# Allegro board PCIE_FIBER_BOARD-1116.brd (continued)
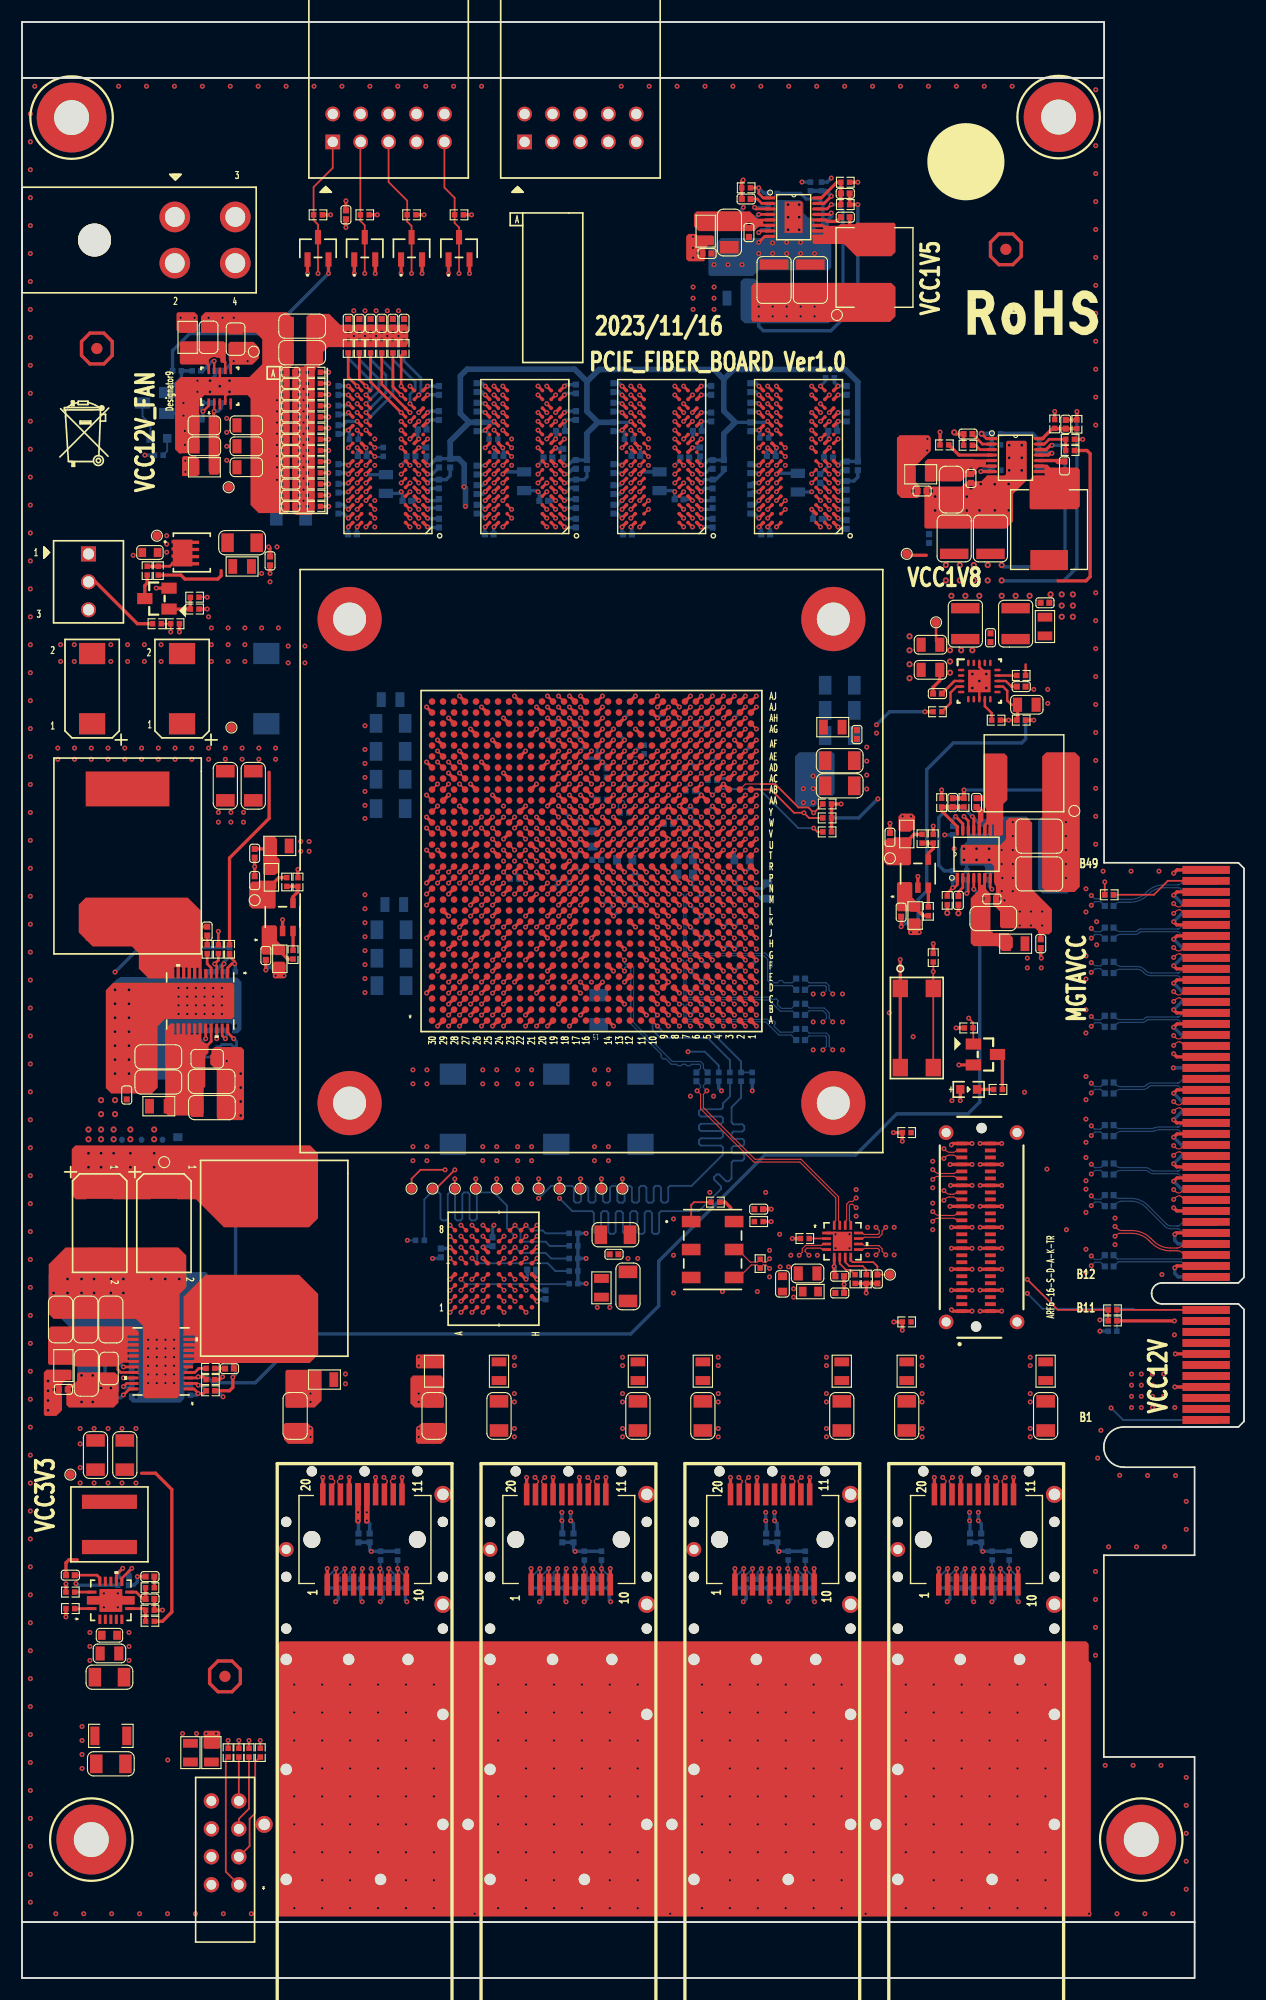
[diagram p0: board, top side]
## Footprints (pads in the part's own frame, mm; a bottom-side part is the same pattern mirrored in y, then rotated) (continued)

## Nets
GND: C13.2(CAP1) C14.2(CAP1) C15.2(CAP1) C97.2(CAP1) C123.2(CAP1) C143.2(CAP1) C144.2(CAP1) C145.2(CAP1) C146.2(CAP1) C147.2(CAP1) C148.2(CAP1) C150.2(CAP1) C151.2(CAP1) C152.2(CAP1) C153.2(CAP1) C159.2(CAP1) C160.2(CAP1) C161.2(CAP1) C162.2(CAP1) C224.2(CAP1) C250.2(CAP1) C271.2(CAP1) C340.2(CAP1) C341.2(CAP1) C342.2(CAP1) C343.2(CAP1) C344.2(CAP1) C399.2(CAP1) C400.2(CAP1) C401.2(CAP1) C402.2(CAP1) C418.2(CAP1) C419.2(CAP1) C420.2(CAP1) C421.2(CAP1) C422.2(CAP1) C461.2(CAP1) C462.2(CAP1) C463.2(CAP1) C490.2(CAP1) C491.2(CAP1) C492.2(CAP1) C493.2(CAP1) C494.2(CAP1) C495.2(CAP1) C496.2(CAP1) C497.2(CAP1) C498.2(CAP1) C499.2(CAP1) C500.2(CAP1) C501.2(CAP1) C502.2(CAP1) C503.2(CAP1) C504.2(CAP1) C505.2(CAP1) C506.2(CAP1) C507.2(CAP1) C508.2(CAP1) C509.2(CAP1) C510.2(CAP1) C511.2(CAP1) C512.2(CAP1) C513.2(CAP1) C514.2(CAP1) C515.2(CAP1) C516.2(CAP1) C517.2(CAP1) C518.2(CAP1) C519.2(CAP1) C520.2(CAP1) C521.2(CAP1) C522.2(CAP1) C523.2(CAP1) C524.2(CAP1) C525.2(CAP1) C526.2(CAP1) C527.2(CAP1) C528.2(CAP1) C529.2(CAP1) C530.2(CAP1) C531.2(CAP1) C532.2(CAP1) C533.2(CAP1) C534.2(CAP1) C535.2(CAP1) C536.2(CAP1) C538.2(CAP1) C539.2(CAP1) C540.2(CAP1) C541.2(CAP1) C542.2(CAP1) C543.2(CAP1) C545.2(CAP1) C546.2(CAP1) C547.2(CAP1) C548.2(CAP1) C549.2(CAP1) C550.2(CAP1) C551.2(CAP1) C552.2(CAP1) C553.2(CAP1) C554.2(CAP1) C555.2(CAP1) C556.2(CAP1) C557.2(CAP1) C558.2(CAP1) C559.2(CAP1) C560.2(CAP1) C561.2(CAP1) C562.2(CAP1) C563.2(CAP1) C564.2(CAP1) C565.2(CAP1) C566.2(CAP1) C567.2(CAP1) C568.2(CAP1) C569.2(CAP1) C570.2(CAP1) C571.2(CAP1) C572.2(CAP1) C573.2(CAP1) C575.2(CAP1) C577.2(CAP1) C578.2(CAP1) C579.2(CAP1) C580.2(CAP1) C581.2(CAP1) C582.2(CAP1) C583.2(CAP1) C584.2(CAP1) C585.2(CAP1) C586.2(CAP1) C587.2(CAP1) C588.2(CAP1) C589.2(CAP1) C590.2(CAP1) C591.2(CAP1) C592.2(CAP1) C593.2(CAP1) C594.2(CAP1) C595.2(CAP1) C596.2(CAP1) C597.2(CAP1) C598.2(CAP1) C599.2(CAP1) C600.2(CAP1) C601.2(CAP1) C602.2(CAP1) C603.2(CAP1) C604.2(CAP1) C605.2(CAP1) C606.2(CAP1) C607.2(CAP1) C608.2(CAP1) C609.2(CAP1) C610.2(CAP1) C611.2(CAP1) C612.2(CAP1) C613.2(CAP1) C614.2(CAP1) C615.2(CAP1) C616.2(CAP1) C617.2(CAP1) C618.2(CAP1) C619.2(CAP1) C620.2(CAP1) C621.2(CAP1) C622.2(CAP1) C623.2(CAP1) C624.2(CAP1) C625.2(CAP1) C626.2(CAP1) C627.2(CAP1) C628.2(CAP1) C629.2(CAP1) C630.2(CAP1) C631.2(CAP1) C632.2(CAP1) C633.2(CAP1) C636.2(CAP1) C638.2(CAP1) C639.2(CAP1) C640.2(CAP1) C1153.2(CAP1) C1154.2(CAP1) C1155.2(CAP1) C1156.2(CAP1) C1157.2(CAP1) C1158.2(CAP1) C1172.2(CAP1) C1173.2(CAP1) C1174.2(CAP1) C1175.2(CAP1) C1176.2(CAP1) C1177.1(CAP2) C1178.2(CAP1) C1182.1(CAP2) C1183.1(CAP2) C1184.2(CAP1) C1185.2(CAP1) C1186.2(CAP1) C1187.1(CAP2) C1188.1(CAP2) C1189.2(CAP1) C1190.2(CAP1) C1193.2(CAP1) C1194.2(CAP1) C1195.2(CAP1) C1196.2(CAP1) C1197.2(CAP1) C1211.1(CAP2) C1212.2(CAP1) C1213.2(CAP1) C1214.2(CAP1) C1215.2(CAP1) C1216.2(CAP1) C1217.2(CAP1) C1218.1(CAP2) C1219.1(CAP2) C1220.2(CAP1) C1221.2(CAP1) C1224.2(CAP1) C1225.2(CAP1) C1226.2(CAP1) C1227.2(CAP1) C1228.2(CAP1) C1229.1(CAP2) C1230.1(CAP2) C1231.1(CAP2) C1232.2(CAP1) C1233.2(CAP1) C1234.2(CAP1) C1237.2(CAP1) C1238.2(CAP1) C2256.2(CAP1) C2257.2(CAP1) C2258.2(CAP1) C2259.2(CAP1) C2260.2(CAP1) C2261.2(CAP1) C2262.2(CAP1) C2263.2(CAP1) C2264.2(CAP1) C2265.2(CAP1) C2266.2(CAP1) C2267.2(CAP1) C2268.2(CAP1) C2269.2(CAP1) C2270.2(CAP1) C2271.2(CAP1) C2272.2(CAP1) C2273.2(CAP1) C2274.2(CAP1) C2275.2(CAP1) C2276.2(CAP1) C2277.2(CAP1) C2278.2(CAP1) C2279.2(CAP1) C2434.2(CAP1) C2441.2(CAP1) C2442.2(CAP1) C2443.2(CAP1) C2444.2(CAP1) C2445.2(CAP1) C2446.2(CAP1) C2447.2(CAP1) C2448.2(CAP1) C2449.2(CAP1) C2450.2(CAP1) C2451.2(CAP1) C2452.2(CAP1) C2453.2(CAP1) C2454.2(CAP1) C2455.2(CAP1) C2456.2(CAP1) C2457.2(CAP1) C2458.2(CAP1) C2459.2(CAP1) C2460.2(CAP1) C2461.2(CAP1) C2462.2(CAP1) C2463.2(CAP1) C2482.1(CAP2) C2483.2(CAP1) C2484.2(CAP1) C2485.1(CAP2) C2486.1(CAP2) C2487.1(CAP2) C2488.1(CAP2) C2489.1(CAP2) C2490.2(CAP1) C2491.2(CAP1) C2492.2(CAP1) C2494.2(CAP1) C2495.2(CAP1) C2496.2(CAP1) C2497.2(CAP1) C2498.2(CAP1) C2499.2(CAP1) C2500.1(CAP2) C2501.2(CAP1) C2502.1(CAP2) C2503.2(CAP1) C2504.2(CAP1) C2505.1(CAP2) C2506.2(CAP1) C2507.2(CAP1) C2508.1 CC1.2 CC2.2 CC3.2 CC4.2 CC5.2 CC6.2 CC7.2 CC8.2 CC13.2 CC14.2 D2.1 D3.1 D4.1 D5.1 J1.2 J1.10 J3.01 J3.02 J3.07 J3.08 J3.13 J3.14 J3.19 J3.20 J3.25 J3.26 J3.31 J3.32 J3.37 J3.38 J3.43 J3.44 J3.49 J3.50 J4.2(GND#2) J4.4(GND#4) J5.3(P3) L3.1 L247.2 P1.1(VEET_1) P1.10(VEER_1) P1.11(VEER_2) P1.14(VEER_3) P1.17(VEET_2) P1.20(VEET_3) P1.21(GND1) P1.22(GND2) P1.23(GND3) P1.24(GND4) P1.25(GND5) P1.26(GND6) P1.27(GND7) P1.28(GND8) P1.29(GND9) P1.30(GND10) P1.31(GND11) P1.32(GND12) P2.1(VEET_1) P2.10(VEER_1) P2.11(VEER_2) P2.14(VEER_3) P2.17(VEET_2) P2.20(VEET_3) P2.21(GND1) P2.22(GND2) P2.23(GND3) P2.24(GND4) P2.25(GND5) P2.26(GND6) P2.27(GND7) P2.28(GND8) P2.29(GND9) P2.30(GND10) P2.31(GND11) P2.32(GND12) P3.1(VEET_1) P3.10(VEER_1) P3.11(VEER_2) P3.14(VEER_3) P3.17(VEET_2) P3.20(VEET_3) P3.21(GND1) P3.22(GND2) P3.23(GND3) P3.24(GND4) P3.25(GND5) P3.26(GND6) P3.27(GND7) P3.28(GND8) P3.29(GND9) P3.30(GND10) P3.31(GND11) P3.32(GND12) P4.1(VEET_1) P4.10(VEER_1) P4.11(VEER_2) P4.14(VEER_3) P4.17(VEET_2) P4.20(VEET_3) P4.21(GND1) P4.22(GND2) P4.23(GND3) P4.24(GND4) P4.25(GND5) P4.26(GND6) P4.27(GND7) P4.28(GND8) P4.29(GND9) P4.30(GND10) P4.31(GND11) P4.32(GND12) Q10.2(SOURCE) Q15.2(SOURCE) Q17.2(SOURCE) R8.2 R41.2 R159.2 R161.2 R164.2 R219.2 R337.1 R338.1 R339.1 R458.2 R490.2 R492.2 R494.2 R1042.1 R1043.1 R1044.1 R1046.1 R1048.2 R1064.1 R1065.2 R1066.1 R1068.2 R1069.1 R1070.1 R1073.2 R1089.2 R1092.1 R1093.1 R1094.1 R1095.1 R1103.2 R1104.1 R1105.1 R1108.2 R1111.1 R1167.2 R1168.2 R1177.2 R1178.2 R1187.2 R1188.2 R1197.2 R1198.2 R1202.1 R1203.1 R1207.2 R1208.2 R1213.2 R1214.2 R1223.2 R1224.2 R1229.2 R1232.2 R1235.1 R1237.2 U23.4(PGND) U23.8(GND) U23.11(PWRPAD) U75.A9(VSS#A9) U75.B1(VSSQ#B1) U75.B3(VSS#B3) U75.B9(VSSQ#B9) U75.D1(VSSQ#D1) U75.D8(VSSQ#D8) U75.E1(VSS#E1) U75.E2(VSSQ#E2) U75.E8(VSSQ#E8) U75.F9(VSSQ#F9) U75.G1(VSSQ#G1) U75.G8(VSS#G8) U75.G9(VSSQ#G9) U75.J2(VSS#J2) U75.J8(VSS#J8) U75.M1(VSS#M1) U75.M9(VSS#M9) U75.P1(VSS#P1) U75.P9(VSS#P9) U75.T1(VSS#T1) U75.T9(VSS#T9) U76.A9(VSS#A9) U76.B1(VSSQ#B1) U76.B3(VSS#B3) U76.B9(VSSQ#B9) U76.D1(VSSQ#D1) U76.D8(VSSQ#D8) U76.E1(VSS#E1) U76.E2(VSSQ#E2) U76.E8(VSSQ#E8) U76.F9(VSSQ#F9) U76.G1(VSSQ#G1) U76.G8(VSS#G8) U76.G9(VSSQ#G9) U76.J2(VSS#J2) U76.J8(VSS#J8) U76.M1(VSS#M1) U76.M9(VSS#M9) U76.P1(VSS#P1) U76.P9(VSS#P9) U76.T1(VSS#T1) U76.T9(VSS#T9) U77.A9(VSS#A9) U77.B1(VSSQ#B1) U77.B3(VSS#B3) U77.B9(VSSQ#B9) U77.D1(VSSQ#D1) U77.D8(VSSQ#D8) U77.E1(VSS#E1) U77.E2(VSSQ#E2) U77.E8(VSSQ#E8) U77.F9(VSSQ#F9) U77.G1(VSSQ#G1) U77.G8(VSS#G8) U77.G9(VSSQ#G9) U77.J2(VSS#J2) U77.J8(VSS#J8) U77.M1(VSS#M1) U77.M9(VSS#M9) U77.P1(VSS#P1) U77.P9(VSS#P9) U77.T1(VSS#T1) U77.T9(VSS#T9) U78.A9(VSS#A9) U78.B1(VSSQ#B1) U78.B3(VSS#B3) U78.B9(VSSQ#B9) U78.D1(VSSQ#D1) U78.D8(VSSQ#D8) U78.E1(VSS#E1) U78.E2(VSSQ#E2) U78.E8(VSSQ#E8) U78.F9(VSSQ#F9) U78.G1(VSSQ#G1) U78.G8(VSS#G8) U78.G9(VSSQ#G9) U78.J2(VSS#J2) U78.J8(VSS#J8) U78.M1(VSS#M1) U78.M9(VSS#M9) U78.P1(VSS#P1) U78.P9(VSS#P9) U78.T1(VSS#T1) U78.T9(VSS#T9) U113.23(EPAD) U115.8(PGND2) U115.17(GND) U116.8(PGND2) U116.17(GND) U118.23(EPAD) U119.8(PGND2) U119.17(GND) U120.8(GND) U120.18(GND_1) U120.21(PAD) U247.A1(GND#A1) U247.A2(GND#A2) U247.A5(GND#A5) U247.A6(GND#A6) U247.A9(GND#A9) U247.A14(GND#A14) U247.A24(GND#A24) U247.AA1(GND#AA1) U247.AA2(GND#AA2) U247.AA5(GND#AA5) U247.AA6(GND#AA6) U247.AA7(GND#AA7) U247.AA14(GND#AA14) U247.AA24(GND#AA24) U247.AB3(GND#AB3) U247.AB4(GND#AB4) U247.AB11(GND#AB11) U247.AB21(GND#AB21) U247.AC8(GND#AC8) U247.AC18(GND#AC18) U247.AC28(GND#AC28) U247.AD5(GND#AD5) U247.AD15(GND#AD15) U247.AD25(GND#AD25) U247.AE2(GND#AE2) U247.AE12(GND#AE12) U247.AE22(GND#AE22) U247.AF9(GND#AF9) U247.AF19(GND#AF19) U247.AF29(GND#AF29) U247.AG6(GND#AG6) U247.AG16(GND#AG16) U247.AG26(GND#AG26) U247.AH3(GND#AH3) U247.AH13(GND#AH13) U247.AH23(GND#AH23) U247.AJ10(GND#AJ10) U247.AJ20(GND#AJ20) U247.AJ30(GND#AJ30) U247.AK7(GND#AK7) U247.AK17(GND#AK17) U247.AK27(GND#AK27) U247.B4(GND#B4) U247.B8(GND#B8) U247.B9(GND#B9) U247.B11(GND#B11) U247.B21(GND#B21) U247.C1(GND#C1) U247.C2(GND#C2) U247.C6(GND#C6) U247.C9(GND#C9) U247.C18(GND#C18) U247.C28(GND#C28) U247.D4(GND#D4) U247.D8(GND#D8) U247.D9(GND#D9) U247.D15(GND#D15) U247.D25(GND#D25) U247.E1(GND#E1) U247.E2(GND#E2) U247.E6(GND#E6) U247.E9(GND#E9) U247.E12(GND#E12) U247.E22(GND#E22) U247.F4(GND#F4) U247.F8(GND#F8) U247.F9(GND#F9) U247.F19(GND#F19) U247.F29(GND#F29) U247.G1(GND#G1) U247.G2(GND#G2) U247.G6(GND#G6) U247.G9(GND#G9) U247.G16(GND#G16) U247.G26(GND#G26) U247.H4(GND#H4) U247.H8(GND#H8) U247.H9(GND#H9) U247.H13(GND#H13) U247.H23(GND#H23) U247.J1(GND#J1) U247.J2(GND#J2) U247.J6(GND#J6) U247.J9(GND#J9) U247.J10(GND#J10) U247.J20(GND#J20) U247.J30(GND#J30) U247.K4(GND#K4) U247.K8(GND#K8) U247.K9(GND#K9) U247.K17(GND#K17) U247.K27(GND#K27) U247.L1(GND#L1) U247.L2(GND#L2) U247.L6(GND#L6) U247.L9(GND#L9) U247.L10(CFGBVS_0) U247.L14(GND#L14) U247.L24(GND#L24) U247.M4(GND#M4) U247.M8(GND#M8) U247.M9(GND#M9) U247.M12(GND#M12) U247.M14(GND#M14) U247.M16(GND#M16) U247.M18(GND#M18) U247.M21(GND#M21) U247.N1(GND#N1) U247.N2(GND#N2) U247.N6(GND#N6) U247.N9(GND#N9) U247.N11(GND#N11) U247.N13(GND#N13) U247.N15(GND#N15) U247.N17(GND#N17) U247.N28(GND#N28) U247.P4(GND#P4) U247.P8(GND#P8) U247.P9(GND#P9) U247.P10(GND#P10) U247.P12(GND#P12) U247.P16(GND#P16) U247.P18(GND#P18) U247.P25(GND#P25) U247.R1(GND#R1) U247.R2(GND#R2) U247.R6(GND#R6) U247.R9(GND#R9) U247.R11(GND#R11) U247.R13(GND#R13) U247.R15(VP_0) U247.R17(GND#R17) U247.R22(GND#R22) U247.T4(GND#T4) U247.T8(GND#T8) U247.T10(GND#T10) U247.T12(GND#T12) U247.T14(VN_0) U247.T16(GND#T16) U247.T18(GND#T18) U247.T19(GND#T19) U247.T29(GND#T29) U247.U1(GND#U1) U247.U2(GND#U2) U247.U6(GND#U6) U247.U9(GND#U9) U247.U11(GND#U11) U247.U13(GND#U13) U247.U14(DXN_0) U247.U15(DXP_0) U247.U17(GND#U17) U247.U26(GND#U26) U247.V4(GND#V4) U247.V8(GND#V8) U247.V9(GND#V9) U247.V10(GND#V10) U247.V12(GND#V12) U247.V14(GND#V14) U247.V16(GND#V16) U247.V18(GND#V18) U247.V23(GND#V23) U247.W1(GND#W1) U247.W2(GND#W2) U247.W6(GND#W6) U247.W9(GND#W9) U247.W11(GND#W11) U247.W13(GND#W13) U247.W15(GND#W15) U247.W17(GND#W17) U247.W20(GND#W20) U247.W30(GND#W30) U247.Y3(GND#Y3) U247.Y4(GND#Y4) U247.Y7(GND#Y7) U247.Y8(GND#Y8) U247.Y9(GND#Y9) U247.Y17(GND#Y17) U247.Y27(GND#Y27) U248.B2(VSS0) U248.H2(VSS1) U248.H4(VSS2) U248.H6(VSS3) U249.A4(GND2) U249.A12(GND37) U249.A15(GND36) U249.A18(GND35) U249.A20(GND34) U249.A23(GND33) U249.A24(GND32) U249.A27(GND31) U249.A28(GND30) U249.A31(GND29) U249.A34(GND28) U249.A37(GND27) U249.A38(GND26) U249.A41(GND25) U249.A42(GND24) U249.A45(GND23) U249.A46(GND22) U249.A49(GND21) U249.B4(GND1) U249.B7(GND3) U249.B13(GND4) U249.B16(GND5) U249.B18(GND6) U249.B21(GND7) U249.B22(GND8) U249.B25(GND9) U249.B26(GND10) U249.B29(GND11) U249.B32(GND12) U249.B35(GND13) U249.B36(GND14) U249.B39(GND15) U249.B40(GND16) U249.B43(GND17) U249.B44(GND18) U249.B47(GND19) U249.B49(GND20) U250.3(GND) U251.1(GND) U251.17(EPAD) U252.2(GND1) U252.3(GND2) U252.15(EPAD) U253.2(GND) U254.2(GND)
VCC1V5: C1186.1(CAP2) C1192.2(CAP1) C1193.1(CAP2) C1194.1(CAP2) C1195.1(CAP2) C1196.1(CAP2) L92.1 L94.2 L95.1 R1072.2 TP44.1 U116.14(BIAS)
VCC1V5_FPGA: C160.1(CAP2) C161.1(CAP2) C162.1(CAP2) C187.1(CAP2) C250.1(CAP2) C508.1(CAP2) C509.1(CAP2) C510.1(CAP2) C511.1(CAP2) C512.1(CAP2) C513.1(CAP2) C514.1(CAP2) C515.1(CAP2) C516.1(CAP2) C517.1(CAP2) C518.1(CAP2) C519.1(CAP2) C528.1(CAP2) C529.1(CAP2) C530.1(CAP2) C531.1(CAP2) C532.1(CAP2) C533.1(CAP2) C534.1(CAP2) C535.1(CAP2) C536.1(CAP2) C538.1(CAP2) C539.1(CAP2) C540.1(CAP2) C541.1(CAP2) C542.1(CAP2) C543.1(CAP2) C544.1(CAP2) C556.1(CAP2) C557.1(CAP2) C558.1(CAP2) C559.1(CAP2) C560.1(CAP2) C561.1(CAP2) C562.1(CAP2) C564.1(CAP2) C565.1(CAP2) C566.1(CAP2) C567.1(CAP2) C568.1(CAP2) C569.1(CAP2) C570.1(CAP2) C571.1(CAP2) C572.1(CAP2) C574.1(CAP2) C576.1(CAP2) C578.1(CAP2) C579.1(CAP2) C580.1(CAP2) C581.1(CAP2) C582.1(CAP2) C583.1(CAP2) C584.1(CAP2) C586.1(CAP2) C587.1(CAP2) C588.1(CAP2) C589.1(CAP2) C590.1(CAP2) C591.1(CAP2) C592.1(CAP2) C593.1(CAP2) C594.1(CAP2) C606.1(CAP2) C607.1(CAP2) C608.1(CAP2) C609.1(CAP2) C610.1(CAP2) C611.1(CAP2) C612.1(CAP2) C614.1(CAP2) C615.1(CAP2) C616.1(CAP2) C617.1(CAP2) C618.1(CAP2) C619.1(CAP2) C620.1(CAP2) C621.1(CAP2) C622.1(CAP2) L92.2 R160.1 R162.1 R163.1 U75.A1(VDDQ#A1) U75.A8(VDDQ#A8) U75.B2(VDD#B2) U75.C1(VDDQ#C1) U75.C9(VDDQ#C9) U75.D2(VDDQ#D2) U75.D9(VDD#D9) U75.E9(VDDQ#E9) U75.F1(VDDQ#F1) U75.G7(VDD#G7) U75.H2(VDDQ#H2) U75.H9(VDDQ#H9) U75.K2(VDD#K2) U75.K8(VDD#K8) U75.N1(VDD#N1) U75.N9(VDD#N9) U75.R1(VDD#R1) U75.R9(VDD#R9) U76.A1(VDDQ#A1) U76.A8(VDDQ#A8) U76.B2(VDD#B2) U76.C1(VDDQ#C1) U76.C9(VDDQ#C9) U76.D2(VDDQ#D2) U76.D9(VDD#D9) U76.E9(VDDQ#E9) U76.F1(VDDQ#F1) U76.G7(VDD#G7) U76.H2(VDDQ#H2) U76.H9(VDDQ#H9) U76.K2(VDD#K2) U76.K8(VDD#K8) U76.N1(VDD#N1) U76.N9(VDD#N9) U76.R1(VDD#R1) U76.R9(VDD#R9) U77.A1(VDDQ#A1) U77.A8(VDDQ#A8) U77.B2(VDD#B2) U77.C1(VDDQ#C1) U77.C9(VDDQ#C9) U77.D2(VDDQ#D2) U77.D9(VDD#D9) U77.E9(VDDQ#E9) U77.F1(VDDQ#F1) U77.G7(VDD#G7) U77.H2(VDDQ#H2) U77.H9(VDDQ#H9) U77.K2(VDD#K2) U77.K8(VDD#K8) U77.N1(VDD#N1) U77.N9(VDD#N9) U77.R1(VDD#R1) U77.R9(VDD#R9) U78.A1(VDDQ#A1) U78.A8(VDDQ#A8) U78.B2(VDD#B2) U78.C1(VDDQ#C1) U78.C9(VDDQ#C9) U78.D2(VDDQ#D2) U78.D9(VDD#D9) U78.E9(VDDQ#E9) U78.F1(VDDQ#F1) U78.G7(VDD#G7) U78.H2(VDDQ#H2) U78.H9(VDDQ#H9) U78.K2(VDD#K2) U78.K8(VDD#K8) U78.N1(VDD#N1) U78.N9(VDD#N9) U78.R1(VDD#R1) U78.R9(VDD#R9) U247.AA9(VCCO_33#AA9) U247.AA19(VCCO_32#AA19) U247.AB16(VCCO_32#AB16) U247.AC3(VCCO_34#AC3) U247.AC13(VCCO_33#AC13) U247.AD10(VCCO_33#AD10) U247.AE7(VCCO_34#AE7) U247.AE17(VCCO_32#AE17) U247.AF4(VCCO_34#AF4) U247.AF14(VCCO_32#AF14) U247.AG1(VCCO_34#AG1) U247.AG11(VCCO_33#AG11) U247.AH8(VCCO_34#AH8) U247.AH18(VCCO_32#AH18) U247.AJ5(VCCO_34#AJ5) U247.AJ15(VCCO_32#AJ15) U247.AK2(VCCO_34#AK2) U247.AK12(VCCO_33#AK12) U247.Y12(VCCO_33#Y12)
VCC1V5_MGT: C1223.2(CAP1) C1224.1(CAP2) C1225.1(CAP2) C1226.1(CAP2) C1227.1(CAP2) C1230.2(CAP1) L102.2 L103.1 R1107.2 TP50.1 U119.14(BIAS)
VCC1V5_PG: R1075.1 R1220.1
VCC1V8: C505.1(CAP2) C1172.1(CAP2) C1173.1(CAP2) C1174.1(CAP2) C1180.2(CAP1) C1184.1(CAP2) C1185.1(CAP2) C2434.1(CAP2) C2446.1(CAP2) C2447.1(CAP2) D2.2 D3.2 D4.2 D5.2 J1.4 L34.2 L86.2 L91.1 L234.2 R4.1 R42.1 R220.1 R340.2 R341.2 R342.2 R395.1 R455.1 R456.1 R1057.2 R1058.1 R1074.1 R1109.1 R1112.1 R1152.1 R1153.1 R1154.1 R1155.1 R1156.1 R1222.1 R1233.1 R1234.1 SW8.1(P1) SW8.2(P2) TP43.1 U115.14(BIAS)
VCC1V8_FPGA: C143.1(CAP2) C400.1(CAP2) C401.1(CAP2) C639.1(CAP2) L91.2 U247.AB6(VCCO_0#AB6) U247.AC23(VCCO_12#AC23) U247.AD20(VCCO_12#AD20) U247.AF24(VCCO_12#AF24) U247.AG21(VCCO_12#AG21) U247.AK22(VCCO_12#AK22) U247.J25(VCCO_15#J25) U247.K22(VCCO_15#K22) U247.L29(VCCO_15#L29) U247.M26(VCCO_15#M26) U247.N23(VCCO_15#N23) U247.P20(VCCO_15#P20) U247.P30(VCCO_14#P30) U247.R27(VCCO_14#R27) U247.T9(VCCO_0#T9) U247.T24(VCCO_14#T24) U247.U21(VCCO_14#U21) U247.V28(VCCO_14#V28) U247.W25(VCCO_14#W25) U247.Y22(VCCO_12#Y22)
VCC1V8_PG: R1060.1 R1067.1
VCC2V5: C2492.1(CAP2) L248.1 L251.2
VCC3V3: C2256.1(CAP2) C2483.1(CAP2) C2497.1(CAP2) C2498.1(CAP2) C2502.2(CAP1) C2505.2(CAP1) DS10.1 L96.2 L233.1 L235.1 L236.1 L237.1 L238.1 L239.1 L240.1 L241.1 L242.1 L243.2 L244.1 L246.2 L249.2 L250.1 L252.1 R87.1 R1115.1 R1159.1 R1160.1 R1161.1 R1162.1 R1163.1 R1164.1 R1165.1 R1166.1 R1169.1 R1170.1 R1171.1 R1172.1 R1173.1 R1174.1 R1175.1 R1176.1 R1179.1 R1180.1 R1181.1 R1182.1 R1183.1 R1184.1 R1185.1 R1186.1 R1189.1 R1190.1 R1191.1 R1192.1 R1193.1 R1194.1 R1195.1 R1196.1 R1210.1 R1221.1 R1236.1 TP67.1
VCC3V3_C_BUF1: C2484.1(CAP2) C2485.2(CAP1) C2486.2(CAP1) C2487.2(CAP1) L244.2 R1206.1 U251.5(VDD)
VCC3V3_FPGA: C402.1(CAP2) C636.1(CAP2) C638.1(CAP2) L233.2 U247.A19(VCCO_17#A19) U247.A29(VCCO_16#A29) U247.AA29(VCCO_13#AA29) U247.AB26(VCCO_13#AB26) U247.AD30(VCCO_13#AD30) U247.AE27(VCCO_13#AE27) U247.AH28(VCCO_13#AH28) U247.AJ25(VCCO_13#AJ25) U247.B16(VCCO_17#B16) U247.B26(VCCO_16#B26) U247.C23(VCCO_16#C23) U247.D20(VCCO_17#D20) U247.D30(VCCO_16#D30) U247.E17(VCCO_17#E17) U247.E27(VCCO_16#E27) U247.F24(VCCO_16#F24) U247.G21(VCCO_17#G21) U247.H18(VCCO_17#H18) U247.H28(VCCO_16#H28) U247.L19(VCCO_17#L19)
VCC12V_FAN: C2491.1(CAP2) J5.1(P1) Q16.1(D1) Q16.2(D2) Q16.3(D3) TP55.1
VCC12V_FAN_EN: R1212.2 U247.J23(IO_L1P_T0_AD0P_15)
VCC12V_IN: C1182.2(CAP1) C1183.2(CAP1) C1187.2(CAP1) C1211.2(CAP1) C1218.2(CAP1) C2489.2(CAP1) C2494.1(CAP2) C2495.1(CAP2) C2496.1(CAP2) J4.1(POWER#1) J4.3(POWER#3) L89.1 L90.1 L93.1 L100.1 L101.1 L245.1 R1045.1 U249.A2(+12V_4) U249.A3(+12V_5) U249.B1(+12V_1) U249.B2(+12V_2) U249.B3(+12V_3) U252.4(PVIN1) U252.5(PVIN2) U252.6(AVIN)
VCC_2V5_FPGA: C159.1(CAP2) L248.2 U247.C13(VCCO_18#C13) U247.D10(VCCO_18#D10) U247.F14(VCCO_18#F14) U247.G11(VCCO_18#G11) U247.J15(VCCO_18#J15) U247.K12(VCCO_18#K12)
VCCAUX: C123.1(CAP2) C399.1(CAP2) C418.1(CAP2) C419.1(CAP2) C420.1(CAP2) C421.1(CAP2) C422.1(CAP2) L5.2 L34.1 U247.C10(VCCBATT_0) U247.P13(VCCAUX#P13) U247.T13(VCCAUX#T13) U247.V11(VCCAUX_IO_G0#V11) U247.V13(VCCAUX#V13) U247.V15(VCCAUX#V15) U247.W10(VCCAUX_IO_G0#W10) U247.W12(VCCAUX_IO_G0#W12) U247.W14(VCCAUX#W14)
VCCINT_FPGA: C150.1(CAP2) C151.1(CAP2) C152.1(CAP2) C153.1(CAP2) C493.1(CAP2) C494.1(CAP2) C495.1(CAP2) C496.1(CAP2) C497.1(CAP2) C498.1(CAP2) C499.1(CAP2) C500.1(CAP2) C501.1(CAP2) C502.1(CAP2) C503.1(CAP2) C504.1(CAP2) CC1.1 CC2.1 CC3.1 CC4.1 CC5.1 CC6.1 CC7.1 CC8.1 L85.1 R1047.2 TP41.1 U247.M11(VCCINT#M11) U247.M13(VCCINT#M13) U247.M15(VCCINT#M15) U247.M17(VCCINT#M17) U247.N10(VCCINT#N10) U247.N12(VCCINT#N12) U247.N14(VCCINT#N14) U247.N16(VCCBRAM#N16) U247.N18(VCCINT#N18) U247.P11(VCCINT#P11) U247.P17(VCCINT#P17) U247.R10(VCCINT#R10) U247.R12(VCCINT#R12) U247.R16(VCCBRAM#R16) U247.R18(VCCINT#R18) U247.T11(VCCINT#T11) U247.T17(VCCINT#T17) U247.U10(VCCINT#U10) U247.U12(VCCINT#U12) U247.U16(VCCBRAM#U16) U247.U18(VCCINT#U18) U247.V17(VCCINT#V17) U247.W16(VCCBRAM#W16) U247.W18(VCCINT#W18)
VCCINT_FPGA_PG: R1041.2 R1059.1 R1101.2 U113.3(PGOOD)
BPI_FLASH_A_0: U247.W22(IO_L24N_T3_A00_D16_14) U248.A1
BPI_FLASH_A_1: U247.W21(IO_L24P_T3_A01_D17_14) U248.B1(A2)
BPI_FLASH_A_2: U247.V24(IO_L23N_T3_A02_D18_14) U248.C1(A3)
BPI_FLASH_A_3: U247.U24(IO_L23P_T3_A03_D19_14) U248.D1(A4)
BPI_FLASH_A_4: U247.V22(IO_L22N_T3_A04_D20_14) U248.D2(A5)
BPI_FLASH_A_5: U247.V21(IO_L22P_T3_A05_D21_14) U248.A2(A6)
BPI_FLASH_A_6: U247.U23(IO_L21N_T3_DQS_A06_D22_14) U248.C2(A7)
BPI_FLASH_A_7: U247.W24(IO_L20N_T3_A07_D23_14) U248.A3(A8)
BPI_FLASH_A_8: U247.W23(IO_L20P_T3_A08_D24_14) U248.B3(A9)
BPI_FLASH_A_9: U247.V20(IO_L19N_T3_A09_D25_VREF_14) U248.C3(A10)
BPI_FLASH_A_10: U247.V19(IO_L19P_T3_A10_D26_14) U248.D3(A11)
BPI_FLASH_A_11: U247.W26(IO_L18N_T2_A11_D27_14) U248.C4(A12)
BPI_FLASH_A_12: U247.V25(IO_L18P_T2_A12_D28_14) U248.A5(A13)
BPI_FLASH_A_13: U247.V30(IO_L17N_T2_A13_D29_14) U248.B5(A14)
BPI_FLASH_A_14: U247.V29(IO_L17P_T2_A14_D30_14) U248.C5(A15)
BPI_FLASH_A_15: U247.V27(IO_L16N_T2_A15_D31_14) U248.D7(A16)
BPI_FLASH_A_16: U247.P22(IO_L22N_T3_A16_15) U248.D8(A17)
BPI_FLASH_A_17: U247.P21(IO_L22P_T3_A17_15) U248.A7(A18)
BPI_FLASH_A_18: U247.N24(IO_L21N_T3_DQS_A18_15) U248.B7(A19)
BPI_FLASH_A_19: U247.N22(IO_L20N_T3_A19_15) U248.C7(A20)
BPI_FLASH_A_20: U247.N21(IO_L20P_T3_A20_15) U248.C8(A21)
BPI_FLASH_A_21: U247.N20(IO_L19N_T3_A21_VREF_15) U248.A8(A22)
BPI_FLASH_A_22: U247.N19(IO_L19P_T3_A22_15) U248.G1(A23)
BPI_FLASH_A_23: U247.N26(IO_L18N_T2_A23_15) U248.H8(A24)
BPI_FLASH_A_24: U247.N25(IO_L18P_T2_A24_15) U248.B6(A25)
BPI_FLASH_A_25: U247.N30(IO_L17N_T2_A25_15) U248.B8(A26)
BPI_FLASH_ADV_B: R1154.2 U247.M30(IO_L15N_T2_DQS_ADV_B_15) U248.F6(ADV_B)
BPI_FLASH_CE_B: R1152.2 U247.U19(IO_L6P_T0_FCS_B_14) U248.B4(CE_B)
BPI_FLASH_CLK: R1150.2 U248.E6(CLK)
BPI_FLASH_DQ_0: U247.P24(IO_L1P_T0_D00_MOSI_14) U248.F2(DQ0)
BPI_FLASH_DQ_1: U247.R25(IO_L1N_T0_D01_DIN_14) U248.E2(DQ1)
BPI_FLASH_DQ_2: U247.R20(IO_L2P_T0_D02_14) U248.G3(DQ2)
BPI_FLASH_DQ_3: U247.R21(IO_L2N_T0_D03_14) U248.E4(DQ3)
BPI_FLASH_DQ_4: U247.T20(IO_L4P_T0_D04_14) U248.E5(DQ4)
BPI_FLASH_DQ_5: U247.T21(IO_L4N_T0_D05_14) U248.G5(DQ5)
BPI_FLASH_DQ_6: U247.T22(IO_L5P_T0_D06_14) U248.G6(DQ6)
BPI_FLASH_DQ_7: U247.T23(IO_L5N_T0_D07_14) U248.H7(DQ7)
BPI_FLASH_DQ_8: U247.U20(IO_L6N_T0_D08_VREF_14) U248.E1(DQ8)
BPI_FLASH_DQ_9: U247.P29(IO_L7P_T1_D09_14) U248.E3(DQ9)
BPI_FLASH_DQ_10: U247.R29(IO_L7N_T1_D10_14) U248.F3(DQ10)
BPI_FLASH_DQ_11: U247.P27(IO_L8P_T1_D11_14) U248.F4(DQ11)
BPI_FLASH_DQ_12: U247.P28(IO_L8N_T1_D12_14) U248.F5(DQ12)
BPI_FLASH_DQ_13: U247.T30(IO_L9N_T1_DQS_D13_14) U248.H5(DQ13)
BPI_FLASH_DQ_14: U247.P26(IO_L10P_T1_D14_14) U248.G7(DQ14)
BPI_FLASH_DQ_15: U247.R26(IO_L10N_T1_D15_14) U248.E7(DQ15)
BPI_FLASH_OE_B: R1153.2 U247.M24(IO_L23P_T3_FOE_B_15) U248.F8(OE_B)
BPI_FLASH_RST_B: R1151.2 U248.D4(RST_B)
BPI_FLASH_WAIT: R1157.1 U247.R28(IO_L11P_T1_SRCC_14)
BPI_FLASH_WE_B: R1156.2 U247.M25(IO_L23N_T3_FWE_B_15) U248.G8(WE_B)
DDR3_A_A0: R460.2 U75.N3(A0) U76.N3(A0) U77.N3(A0) U78.N3(A0) U247.AB9(IO_L3P_T0_DQS_33)
DDR3_A_A1: R461.2 U75.P7(A1) U76.P7(A1) U77.P7(A1) U78.P7(A1) U247.AA11(IO_L5P_T0_33)
DDR3_A_A2: R462.2 U75.P3(A2) U76.P3(A2) U77.P3(A2) U78.P3(A2) U247.AC10(IO_L7N_T1_33)
DDR3_A_A3: R463.2 U75.N2(A3) U76.N2(A3) U77.N2(A3) U78.N2(A3) U247.AC9(IO_L3N_T0_DQS_33)
DDR3_A_A4: R464.2 U75.P8(A4) U76.P8(A4) U77.P8(A4) U78.P8(A4) U247.AB12(IO_L1N_T0_33)
DDR3_A_A5: R465.2 U75.P2(A5) U76.P2(A5) U77.P2(A5) U78.P2(A5) U247.AA8(IO_L2P_T0_33)
DDR3_A_A6: R466.2 U75.R8(A6) U76.R8(A6) U77.R8(A6) U78.R8(A6) U247.AB10(IO_L7P_T1_33)
DDR3_A_A7: R467.2 U75.R2(A7) U76.R2(A7) U77.R2(A7) U78.R2(A7) U247.AA12(IO_L1P_T0_33)
DDR3_A_A8: R468.2 U75.T8(A8) U76.T8(A8) U77.T8(A8) U78.T8(A8) U247.Y11(IO_L4P_T0_33)
DDR3_A_A9: R469.2 U75.R3(A9) U76.R3(A9) U77.R3(A9) U78.R3(A9) U247.AA10(IO_L5N_T0_33)
DDR3_A_A10: R470.2 U75.L7(A10/AP) U76.L7(A10/AP) U77.L7(A10/AP) U78.L7(A10/AP) U247.AE9(IO_L10N_T1_33)
DDR3_A_A11: R471.2 U75.R7(A11) U76.R7(A11) U77.R7(A11) U78.R7(A11) U247.AB8(IO_L2N_T0_33)
DDR3_A_A12: R472.2 U75.N7(A12/BC#) U76.N7(A12/BC#) U77.N7(A12/BC#) U78.N7(A12/BC#) U247.AD8(IO_L8P_T1_33)
DDR3_A_A13: R473.2 U75.T3(A13) U76.T3(A13) U77.T3(A13) U78.T3(A13) U247.AA13(IO_L6P_T0_33)
DDR3_A_A14: R474.2 U75.T7(A14) U76.T7(A14) U77.T7(A14) U78.T7(A14) U247.Y10(IO_L4N_T0_33)
DDR3_A_A15: R475.2 U75.M7(A15) U76.M7(A15) U77.M7(A15) U78.M7(A15) U247.AE8(IO_L8N_T1_33)
DDR3_A_BA0: R476.2 U75.M2(BA0) U76.M2(BA0) U77.M2(BA0) U78.M2(BA0) U247.AC12(IO_L9P_T1_DQS_33)
DDR3_A_BA1: R477.2 U75.N8(BA1) U76.N8(BA1) U77.N8(BA1) U78.N8(BA1) U247.AC11(IO_L9N_T1_DQS_33)
DDR3_A_BA2: R478.2 U75.M3(BA2) U76.M3(BA2) U77.M3(BA2) U78.M3(BA2) U247.AD9(IO_L10P_T1_33)
DDR3_A_CAS_B: R481.2 U75.K3(CAS#) U76.K3(CAS#) U77.K3(CAS#) U78.K3(CAS#) U247.AG9(IO_L16P_T2_33)
DDR3_A_CKE: R483.2 U75.K9(CKE) U76.K9(CKE) U77.K9(CKE) U78.K9(CKE) U247.AE10(IO_L14P_T2_SRCC_33)
DDR3_A_CLK0_N: R488.2 U75.K7(CK#) U76.K7(CK#) U77.K7(CK#) U78.K7(CK#) U247.AD11(IO_L12N_T1_MRCC_33)
DDR3_A_CLK0_P: R488.1 U75.J7(CK) U76.J7(CK) U77.J7(CK) U78.J7(CK) U247.AD12(IO_L12P_T1_MRCC_33)
DDR3_A_D0: U75.E3(DQ0) U247.AK6(IO_L22N_T3_34)
DDR3_A_D1: U75.F7(DQ1) U247.AG7(IO_L20N_T3_34)
DDR3_A_D2: U75.F2(DQ2) U247.AJ6(IO_L22P_T3_34)
DDR3_A_D3: U75.F8(DQ3) U247.AK8(IO_L23N_T3_34)
DDR3_A_D4: U75.H3(DQ4) U247.AK4(IO_L24N_T3_34)
DDR3_A_D5: U75.H8(DQ5) U247.AJ8(IO_L23P_T3_34)
DDR3_A_D6: U75.G2(DQ6) U247.AK5(IO_L24P_T3_34)
DDR3_A_D7: U75.H7(DQ7) U247.AF8(IO_L19P_T3_34)
DDR3_A_D8: U75.D7(DQ8) U247.AJ3(IO_L18P_T2_34)
DDR3_A_D9: U75.C3(DQ9) U247.AH2(IO_L16P_T2_34)
DDR3_A_D10: U75.C8(DQ10) U247.AH6(IO_L14P_T2_SRCC_34)
DDR3_A_D11: U75.C2(DQ11) U247.AJ1(IO_L17P_T2_34)
DDR3_A_D12: U75.A7(DQ12) U247.AJ4(IO_L13N_T2_MRCC_34)
DDR3_A_D13: U75.A2(DQ13) U247.AK1(IO_L17N_T2_34)
DDR3_A_D14: U75.B8(DQ14) U247.AH5(IO_L14N_T2_SRCC_34)
DDR3_A_D15: U75.A3(DQ15) U247.AJ2(IO_L16N_T2_34)
DDR3_A_D16: U76.E3(DQ0) U247.AE4(IO_L10P_T1_34)
DDR3_A_D17: U76.F7(DQ1) U247.AE3(IO_L10N_T1_34)
DDR3_A_D18: U76.F2(DQ2) U247.AF5(IO_L11N_T1_SRCC_34)
DDR3_A_D19: U76.F8(DQ3) U247.AF1(IO_L8N_T1_34)
DDR3_A_D20: U76.H3(DQ4) U247.AF6(IO_L12P_T1_MRCC_34)
DDR3_A_D21: U76.H8(DQ5) U247.AF2(IO_L7N_T1_34)
DDR3_A_D22: U76.G2(DQ6) U247.AE5(IO_L11P_T1_SRCC_34)
DDR3_A_D23: U76.H7(DQ7) U247.AG5(IO_L12N_T1_MRCC_34)
DDR3_A_D24: U76.D7(DQ8) U247.AD4(IO_L1P_T0_34)
DDR3_A_D25: U76.C3(DQ9) U247.AC4(IO_L4N_T0_34)
DDR3_A_D26: U76.C8(DQ10) U247.AE6(IO_L5N_T0_34)
DDR3_A_D27: U76.C2(DQ11) U247.AC7(IO_L6P_T0_34)
DDR3_A_D28: U76.A7(DQ12) U247.AD3(IO_L1N_T0_34)
DDR3_A_D29: U76.A2(DQ13) U247.AC5(IO_L4P_T0_34)
DDR3_A_D30: U76.B8(DQ14) U247.AD6(IO_L5P_T0_34)
DDR3_A_D31: U76.A3(DQ15) U247.AC2(IO_L2P_T0_34)
DDR3_A_D32: U77.E3(DQ0) U247.AG15(IO_L2P_T0_32)
DDR3_A_D33: U77.F7(DQ1) U247.AK16(IO_L1P_T0_32)
DDR3_A_D34: U77.F2(DQ2) U247.AH15(IO_L2N_T0_32)
DDR3_A_D35: U77.F8(DQ3) U247.AE16(IO_L6P_T0_32)
DDR3_A_D36: U77.H3(DQ4) U247.AG14(IO_L4N_T0_32)
DDR3_A_D37: U77.H8(DQ5) U247.AJ17(IO_L5N_T0_32)
DDR3_A_D38: U77.G2(DQ6) U247.AK15(IO_L1N_T0_32)
DDR3_A_D39: U77.H7(DQ7) U247.AH17(IO_L5P_T0_32)
DDR3_A_D40: U77.D7(DQ8) U247.AJ19(IO_L7P_T1_32)
DDR3_A_D41: U77.C3(DQ9) U247.AH19(IO_L8N_T1_32)
DDR3_A_D42: U77.C8(DQ10) U247.AD19(IO_L10P_T1_32)
DDR3_A_D43: U77.C2(DQ11) U247.AF17(IO_L12P_T1_MRCC_32)
DDR3_A_D44: U77.A7(DQ12) U247.AK19(IO_L7N_T1_32)